# Altium PCB power_measure.PcbDoc
Units mil, origin at the board's own origin, x right, y up, seen from the top; angles counter-clockwise.
Board outline 1365 x 1730 mil, 2 copper layers (Top Layer, Bottom Layer); 55 components, 36 nets, 197 pads, 93 vias.
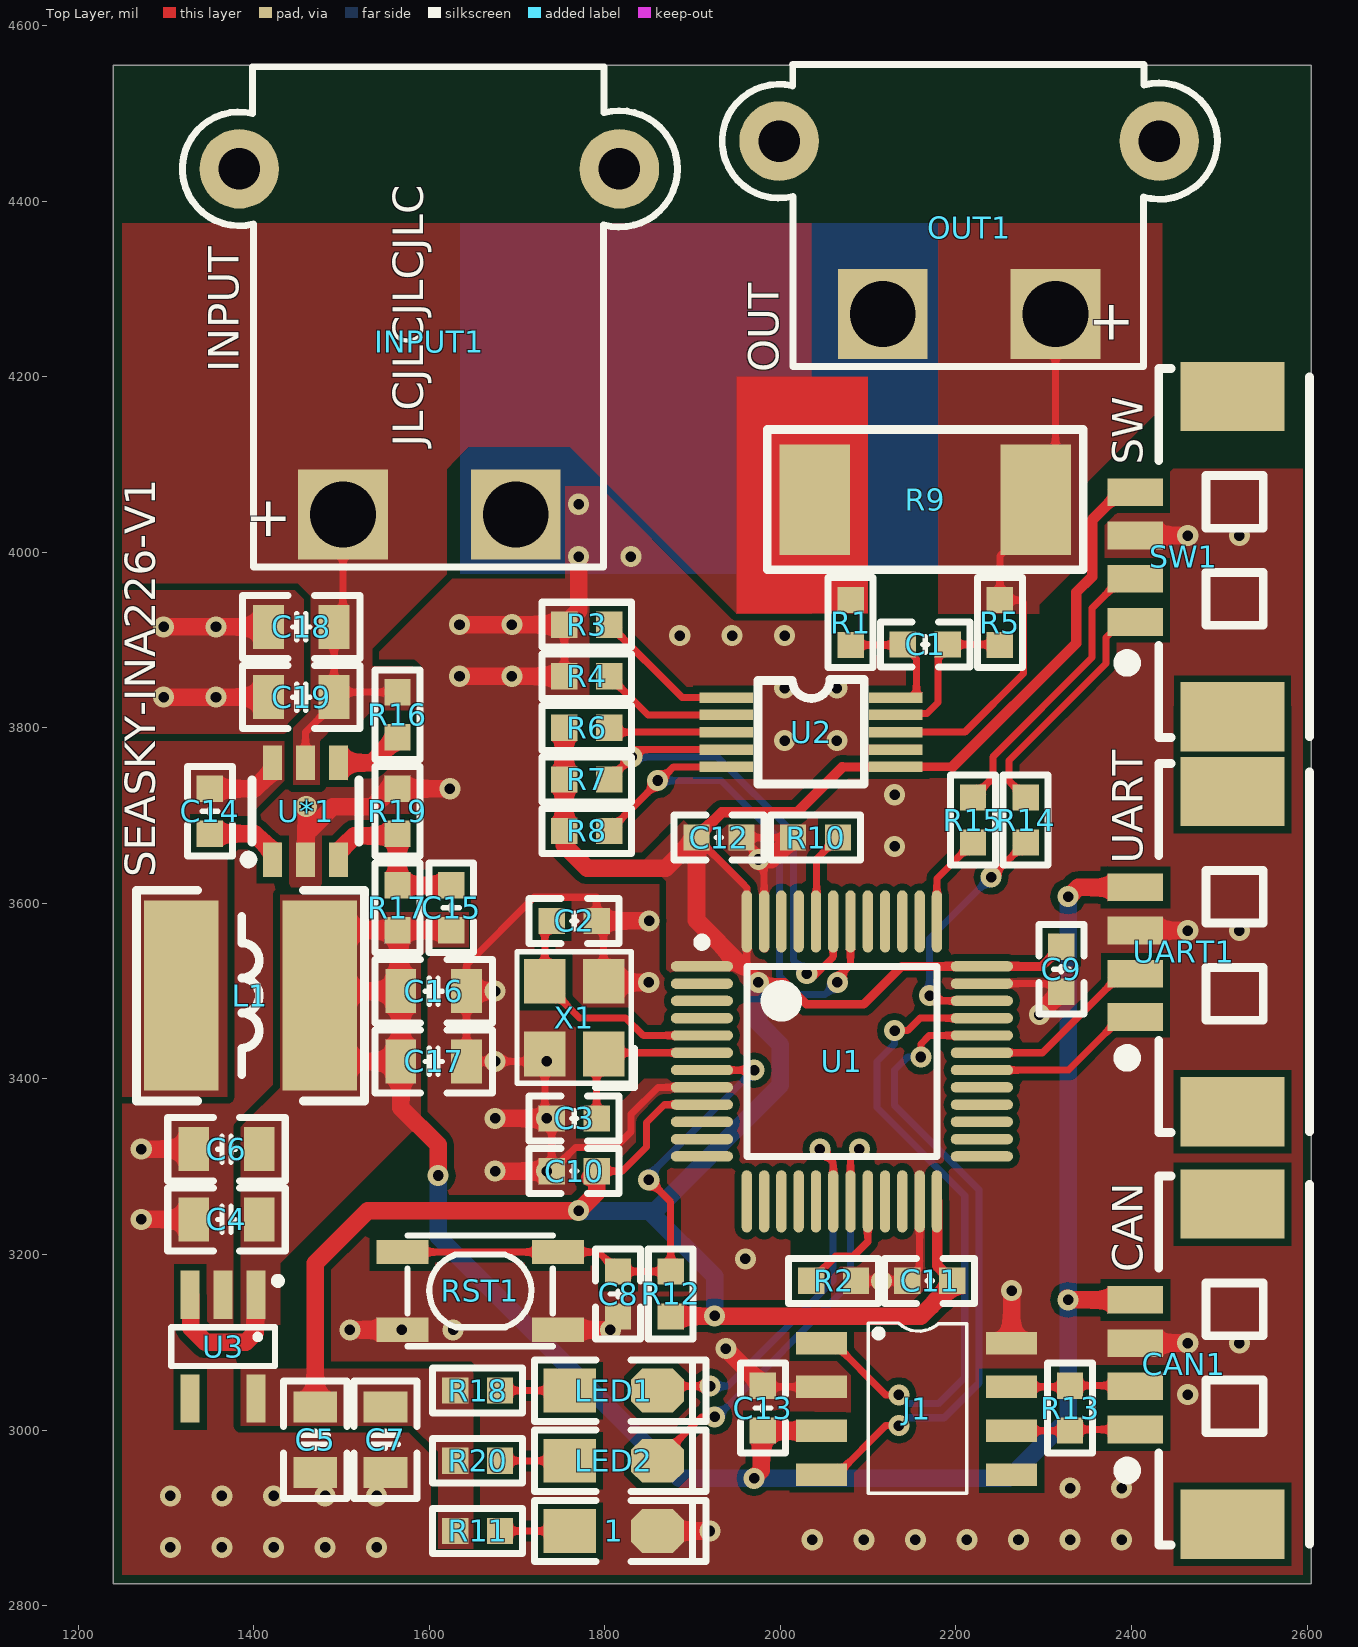
[diagram p0: Top Layer view]
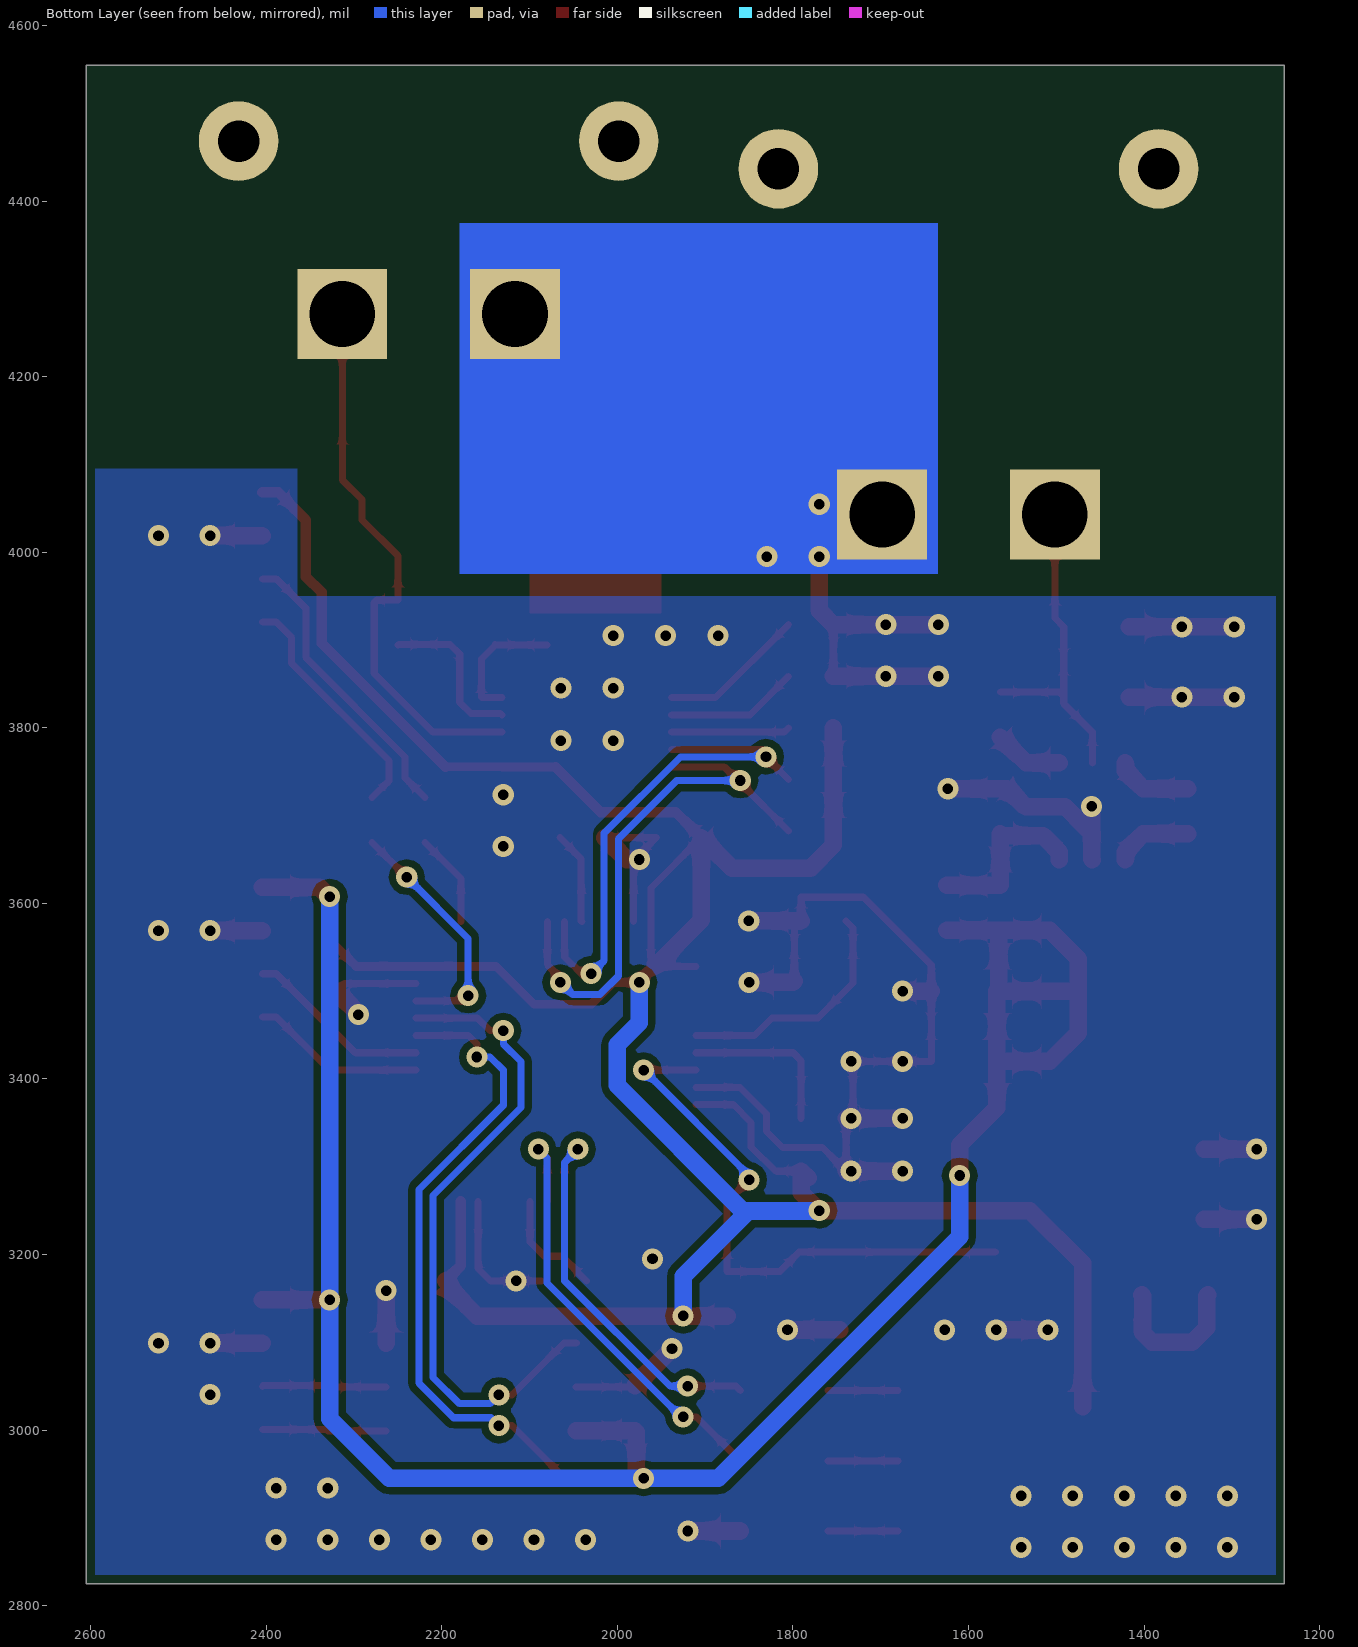
[diagram p1: Bottom Layer view, seen from below]
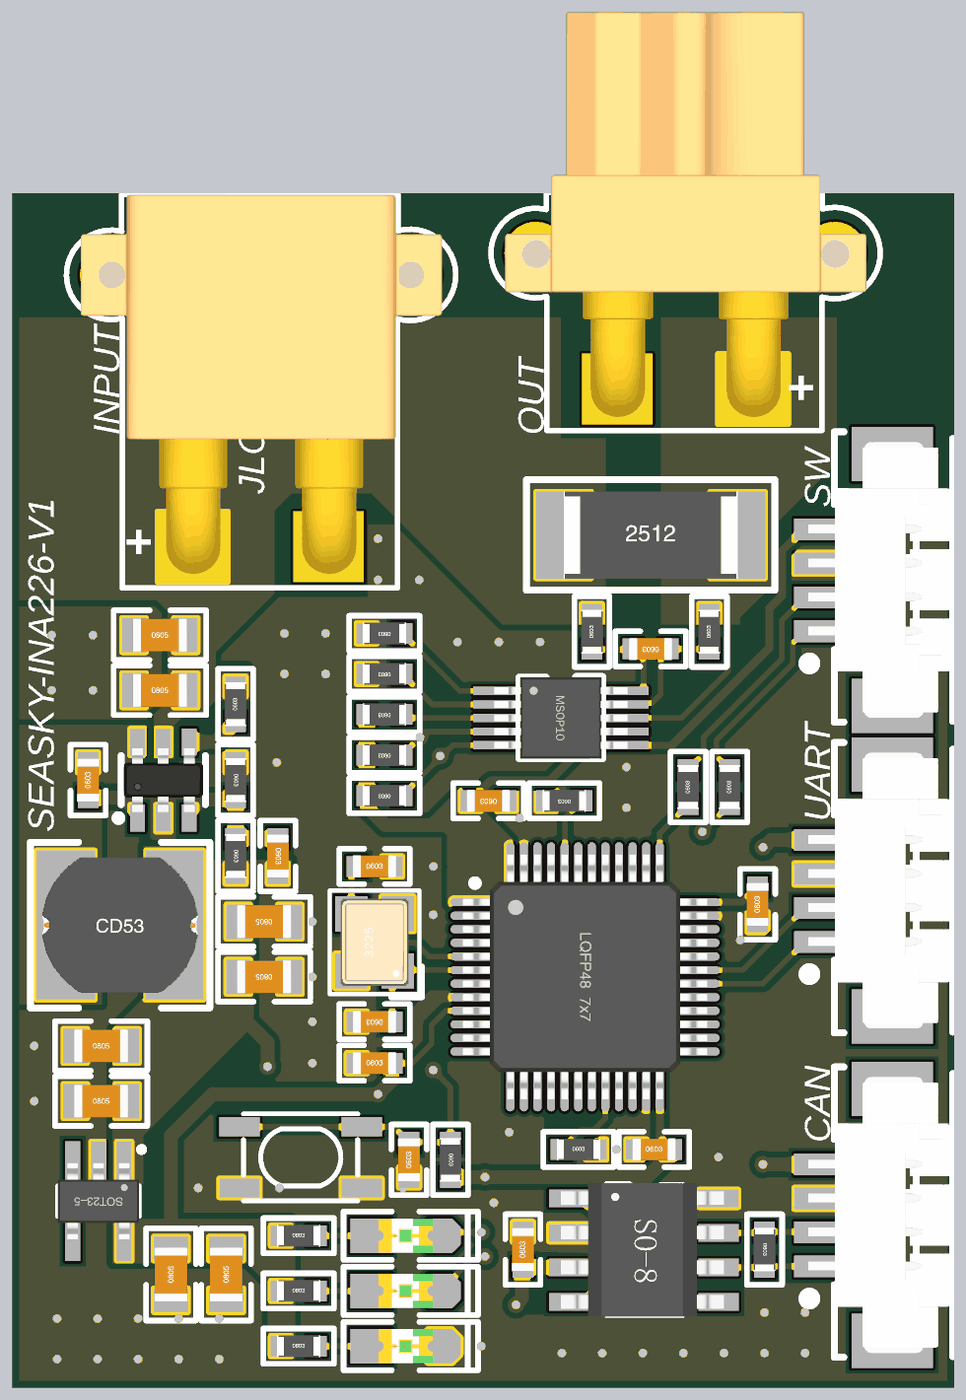
[diagram p2: 3D render of the assembled board from above, using the file's embedded part models]

## Layer stack, top to bottom
Top Solder: solder mask 0.4, Solder Resist, Dk 3.5
Top Layer: signal copper 1.4
Dielectric 1: dielectric 12.6, FR-4, Dk 4.8
Bottom Layer: signal copper 1.4
Bottom Solder: solder mask 0.4, Solder Resist, Dk 3.5

## Board outline
1240,2825 1240,4555 2605,4555 2605,2825

## Design rules (kind name [scope] priority, off if disabled: settings)
BoardOutlineClearance [All] p1: gap=10 ignorepadtopadclearanceinfootprint=FALSE except(0: Arc-SplitContinuation Track-SplitContinuation SMDPad-SplitContinuation THPad-SplitContinuation Via-SplitContinuation Fill-SplitContinuation Poly-SplitContinuation Region-SplitContinuation Text-SplitContinuation)
Clearance [All] p1: gap=8 ignorepadtopadclearanceinfootprint=TRUE except(0: Arc-Hole Track-Hole SMDPad-Hole THPad-Hole Via-Hole Fill-Hole Poly-Hole Region-Hole Text-Hole)
PlaneConnect [All] p1: planeconnectstyle=Direct reliefexpansion=20 reliefentries=4 reliefconductorwidth=10 reliefairgap=10
PolygonConnect [All] p1: connectstyle=Direct reliefconductorwidth=10 reliefentries=4 polygonreliefangle="90 Angle" airgapwidth=10
RoutingVias [All] p1: holewidth=28 width=50 viastyle="Through Hole" minholewidth=28 minwidth=50 maxholewidth=28 maxwidth=50
SolderMaskExpansion [All] p1: expansion=4
Width [All] p1: maxlimit=1000 minlimit=8 preferedwidth=10
29 further rules are at their usual default settings.

## Classes and differential pairs
component class power_measure: 1 C1 C2 C3 C4 C5 C6 C7 C8 C9 C10 C11 C12 C13 C14 C15 C16 C17 C18 C19 CAN1 INPUT1 J1 L1 LED1 LED2 OUT1 R1 R2 R3 R5 R6 R8 R10 R12 R13 R14 R15 R16 R17 R19 R20 RST1 SW1 U1 U2 U3 U*1 UART1 X1

## Components (designator, comment, footprint, x,y, rotation, side; value= is the part's Value field where it differs from the comment)
1 "3V3" "LED 0805R" 1810,2885 r0 top
C1 "0.1uF" "C 0603_L" 2165,3895 r180 top
C2 "22pF" "C 0603_L" 1765,3580 r0 top
C3 "22pF" "C 0603_L" 1765,3355 r180 top
C4 "0.1uF" "C 0805_L" 1368.92,3240 r0 top
C5 "0.1uF" "C 0805_L" 1470,2988.92 r90 top
C6 "47uF" "C 0805_L" 1368.92,3320 r0 top
C7 "47uF" "C 0805_L" 1550,2988.92 r90 top
C8 "104" "C 0603_L" 1815,3155 r90 top
C9 "104" "C 0603_L" 2320,3525 r90 top
C10 "104" "C 0603_L" 1765,3295 r0 top
C11 "104" "C 0603_L" 2170,3170 r0 top
C12 "104" "C 0603_L" 1930,3675 r180 top
C13 "0.1uF" "C 0603_L" 1980,3025.01 r90 top
C14 "0.1uF" "C 0603_L" 1350,3705 r90 top
C15 "22pF" "C 0603_L" 1625,3595 r270 top
C16 "47uF" "C 0805_L" 1605,3500 r180 top
C17 "0.1uF" "C 0805_L" 1605,3420 r180 top
C18 "0.1uF" "C 0805_L" 1454.07,3915 r0 top
C19 "47uF" "C 0805_L" 1454.07,3835 r0 top
CAN1 "HDR-1X4" "MX 1.25-WS-4P" 2515,3075 r90 top
INPUT1 "XT30" XT30PW-M 1600,4240 r180 top
J1 "TJA1050" SOIC-8_150mil 2046.87,3099.1 r0 top
L1 "4.7uH" CD53 1396.26,3495 r0 top
LED1 "蓝色" "LED 0805B" 1810,3045 r0 top
LED2 "蓝色" "LED 0805B" 1810,2965 r0 top
OUT1 "XT30" XT30PW-F 2215,4370 r180 top
R1 "4.7R" "R 0603_L" 2080,3920 r90 top
R2 "10K" "R 0603_L" 2060.59,3170 r0 top
R3 "10K" "R 0603_L" 1779.41,3917.5 r180 top
R4 "10K" "R 0603_L" 1779.41,3858.75 r180 top
R5 "4.7R" "R 0603_L" 2250,3920 r90 top
R6 "10K" "R 0603_L" 1779.41,3800 r180 top
R7 "4.7K" "R 0603_L" 1779.41,3741.25 r180 top
R8 "4.7K" "R 0603_L" 1779.41,3682.5 r180 top
R9 "10mR" "R 2512_M" 2165,4060 r0 top
R10 "10K" "R 0603_L" 2040,3675 r180 top
R11 "4.7K" "R 0603_L" 1655,2885 r0 top
R12 "10K" "R 0603_L" 1875,3155 r270 top
R13 "120R" "R 0603_L" 2330,3025 r270 top
R14 "0R" "R 0603_L" 2279.39,3694.99 r90 top
R15 "0R" "R 0603_L" 2219.39,3694.99 r90 top
R16 "100K" "R 0603_L" 1563.66,3815 r90 top
R17 "12K" "R 0603_L" 1563.66,3595 r270 top
R18 "4.7K" "R 0603_L" 1655,3045 r0 top
R19 "2.2K" "R 0603_L" 1563.66,3705 r270 top
R20 "4.7K" "R 0603_L" 1655,2965 r0 top
RST1 "KEY_M" SMD-3.2*4.2 1657.89,3158.51 r0 top
SW1 "HDR-1X4" "MX 1.25-WS-4P" 2515,3995 r90 top
U1 "STM32F103C8T6" LQFP48_N 2070,3420 r0 top
U2 "ina226" MSOP-10 2035,3795 r0 top
U3 "RT9013-33GB" SOT23-5M 1365,3095 r180 top
U*1 "JW5026" SOT-23-6_L2.9-W1.6-P0.95-LS2.8-BL 1458.98,3705 r0 top
UART1 "HDR-1X4" "MX 1.25-WS-4P" 2515,3545 r90 top
X1 "26M" "OSC 3225-4P" 1765,3470 r90 top

## Footprints (in the part's own frame and the unit in brackets; to place one, negate y for a bottom-side part, rotate by r counter-clockwise, add the part's x,y. Pads: shape width x height; smd on the part's side, far side on the other; paste and mask are expansions set on the pad)
"C 0603_L" [mil] "无极性贴片电容                                       淘宝ID:黄晶宝石"
  rect 30x30 smd: 1(-25.59,0) 2(25.59,0)
  silkscreen extent -51,-26 51,26, body extent -31,-16 31,16, height 32
"C 0805_L" [mil] "无极性贴片电容                                        淘宝ID:黄晶宝石"
  rect 35x50 smd: 1(-37.4,0) 2(37.4,0)
  silkscreen extent -67,-36 67,36, body extent -39,-24 39,24, height 20
CD53 [mm] "5.8*5.2*3.5mm（长宽高）        淘宝ID:黄晶宝石"
  rect 2.15x5.5 smd: 1(-2,0) 2(2,0)
  silkscreen extent -3.3,-3.05 3.3,3.05, body extent -2.87,-2.5 2.87,2.5, height 3.6
"LED 0805B" [mil] "蓝色0805LED                                    淘宝ID:黄晶宝石"
  rect 60x50 smd: 1(-50,0)
  oct 60x50 smd: 2(50,0)
  silkscreen extent -90,-35 105,35, body extent -39,-25 39,25, height 32
"LED 0805R" [mil] "红色0805LED                                       淘宝ID:黄晶宝石"
  rect 60x50 smd: 1(-50,0)
  oct 60x50 smd: 2(50,0)
  silkscreen extent -90,-35 105,35, body extent -39,-25 39,25, height 32
LQFP48_N [mm] "封装库来自淘宝 ID：黄晶宝石 Thin QFP, 48-Leads, Body 7x7mm, Pitch 0.5mm, IPC Medium Density"
  oval 1.8x0.3 smd: 1(-4.05,2.75) 2(-4.05,2.25) 3(-4.05,1.75) 4(-4.05,1.25) 5(-4.05,0.75) 6(-4.05,0.25) 7(-4.05,-0.25) 8(-4.05,-0.75) 9(-4.05,-1.25) 10(-4.05,-1.75) 11(-4.05,-2.25) 12(-4.05,-2.75) 25(4.05,-2.75) 26(4.05,-2.25) 27(4.05,-1.75) 28(4.05,-1.25) 29(4.05,-0.75) 30(4.05,-0.25) 31(4.05,0.25) 32(4.05,0.75) 33(4.05,1.25) 34(4.05,1.75) 35(4.05,2.25) 36(4.05,2.75)
  oval 0.3x1.8 smd: 13(-2.75,-4.05) 14(-2.25,-4.05) 15(-1.75,-4.05) 16(-1.25,-4.05) 17(-0.75,-4.05) 18(-0.25,-4.05) 19(0.25,-4.05) 20(0.75,-4.05) 21(1.25,-4.05) 22(1.75,-4.05) 23(2.25,-4.05) 24(2.75,-4.05) 37(2.75,4.05) 38(2.25,4.05) 39(1.75,4.05) 40(1.25,4.05) 41(0.75,4.05) 42(0.25,4.05) 43(-0.25,4.05) 44(-0.75,4.05) 45(-1.25,4.05) 46(-1.75,4.05) 47(-2.25,4.05) 48(-2.75,4.05)
  silkscreen extent -4.17,-2.75 2.75,3.57, body extent -4.5,-4.5 4.5,4.5, height 1.45
MSOP-10 [mil]
  rect 61.02x12 smd: 1(-96.5,39.37) 2(-96.5,19.68) 3(-96.5,0) 4(-96.5,-19.69) 5(-96.5,-39.37) 6(96.5,-39.37) 7(96.5,-19.69) 8(96.5,0) 9(96.5,19.68) 10(96.5,39.37)
  silkscreen extent -60,-59 60,60, body extent -96,-59 96,59, height 37
"MX 1.25-WS-4P" [mm] "长：10.15mm，宽：4.2mm，高：3.4mm"
  rect 2x3 smd: 0(-4.632,0) 0(4.632,0)
  rect 0.8x1.6 smd: 1(-1.889,2.811) 2(-0.639,2.811) 3(0.611,2.811) 4(1.861,2.811)
  silkscreen extent -5.23,-2.23 5.45,3.25, body extent -5.07,-2.1 5.07,3.09, height 3.4
"OSC 3225-4P" [mm] "3.2*2.5*0.7mm(长宽高)                         淘宝ID:黄晶宝石"
  rect 1.3x1.2 smd: 1(-1.05,-0.85) 2(1.05,-0.85) 3(1.05,0.85) 4(-1.05,0.85)
  silkscreen extent -2.03,-1.75 1.91,1.65, body extent -1.6,-1.25 1.6,1.25, height 0.7
"R 0603_L" [mil] "1/10W贴片电阻                 淘宝ID:黄晶宝石"
  rect 30x30 smd: 1(-25.59,0) 2(25.59,0)
  silkscreen extent -51,-26 51,26, body extent -31,-16 32,16, height 16
"R 2512_M" [mm] "1W贴片电阻  淘宝ID:黄晶宝石"
  rect 2.032x3.2 smd: 1(-3.2,0) 2(3.2,0)
  silkscreen extent -4.57,-2.03 4.57,2.03, body extent -3.2,-1.6 3.2,1.6, height 0.55
SMD-3.2*4.2 [mm]
  rect 1.5x0.7 smd: 1(-2.25,1.125) 1(2.25,1.125) 2(-2.25,-1.125) 2(2.25,-1.125)
  silkscreen extent -2.1,-1.6 2.1,1.6, body extent -2.73,-1.6 2.47,1.58, height 1.8
SOIC-8_150mil [mm]
  rect 1.473x0.65 smd: 1(0,0) 2(0,-1.27) 3(0,-2.54) 4(0,-3.81) 5(5.5,-3.81) 6(5.5,-2.54) 7(5.5,-1.27) 8(5.5,0)
  silkscreen extent 1.35,-4.34 4.2,0.58, body extent -0.3,-4.34 5.7,0.56, height 1.7
SOT23-5M [mm] "3x1.6x1.1mm(长宽高) 封装库来自淘宝卖家 ID：黄晶宝石"
  rect 0.55x1.4 smd: 1(-0.95,-1.5) 2(0,-1.5) 3(0.95,-1.5) 4(0.95,1.5) 5(-0.95,1.5)
  silkscreen extent -1.66,-1.98 1.5,0.56, body extent -1.5,-1.4 1.5,1.4, height 1.15
SOT-23-6_L2.9-W1.6-P0.95-LS2.8-BL [mm]
  rect 0.55x1 smd: 1(-0.95,-1.4) 2(0,-1.4) 3(0.95,-1.4) 4(0.95,1.4) 5(0,1.4) 6(-0.95,1.4)
  silkscreen extent -1.78,-1.52 1.55,0.9, body extent -1.46,-1.17 1.46,1.17, height 1
XT30PW-F [mm]
  round 2.3 hole 1.2: 0(-5.5,-2.5) 0(5.5,-2.5)
  rect 2.6x2.6 hole 1.9: 1(2.5,2.5) 2(-2.5,2.5)
  silkscreen extent -7.18,-4.72 7.14,4.02, body extent -6.67,-11.36 6.63,3.54, height 5
XT30PW-M [mm]
  round 2.3 hole 1.2: 0(-5.5,-5) 0(5.5,-5)
  rect 2.6x2.6 hole 1.9: 1(-2.5,5) 2(2.5,5)
  silkscreen extent -7.18,-7.95 7.14,6.52, body extent -6.67,-7.95 6.63,6, height 5

## Part data
1 LED1 LED2: library part LED-SMD, "贴片LED"
C1 C2 C3 C4 C5 C6 C7 C8 C9 C10 C11 C12 C13 C14 C15 C16 C17 C18 C19: library part C, "贴片电容"
CAN1 SW1 UART1: library part "Header 4", "4P接插件"
J1: "CANоƬ"
L1: library part L-SMD, "CD系列贴片线绕功率电感"
R1 R2 R3 R4 R5 R6 R7 R8 R9 R10 R11 R12 R13 R14 R15 R16 R17 R18 R19 R20: library part R, "贴片电阻"
U1: "STM32 ARM-based 32-bit MCU Performance Line with 64 kB Flash, 20 kB Internal RAM, -40 to +85癈 Temperature, 48-Pin LQFP, Tray"
U2: library part INA226
U*1: "BUCK、MAX40V"
X1: library part XTAL-4P, "4脚无源晶振"

## Via types
v1: diameter 24, hole 12, Top Layer to Bottom Layer, tented both sides, 93 vias

## Nets (pads, with @x,y where several pads share a name; then routed paths per layer and width w, separated by ;. In a path a pad name is that pad's centre, name@x,y a point inside that pad or via, vN(x,y) a via of type N, cw(c..) or ccw(c..) an arc to the next point about the centre after c; other vN are vias at no path point)
CAN1_RX(PA11): J1.4 U1.32 | length 745.1
  Top Layer w8: J1.4 2045.97,2950 2065,2950 2120,3005 v1(2135,3005) ; v1(2160,3425) 2160,3440 2169.53,3449.53 U1.32
  Bottom Layer w8: v1(2135,3005) 2144,3014 2186.63,3014 2226,3053.37 2226,3274 2130,3370 2130,3410 2145,3425 v1(2160,3425)
CAN1_TX(PA12): J1.1 U1.33 | length 754.2
  Top Layer w8: J1.1 2060.9,3099.1 2120,3040 v1(2135,3040) ; v1(2130,3455) 2145,3455 2159.21,3469.21 U1.33
  Bottom Layer w8: v1(2130,3455) 2130,3440 2110,3420 2110,3367.37 2210,3267.37 2210,3060 2180,3030 2145,3030 v1(2135,3040)
CAN_H: CAN1.2 J1.7 R13.1 | length 141.9
  Top Layer w8: J1.7 2328.5,3049.1 R13.1 2403.6,3050.59 CAN1.2
CAN_L: CAN1.1 J1.6 R13.2 | length 141.6
  Top Layer w8: J1.6 2329.69,2999.1 R13.2 2331.22,3000.64 CAN1.1
GND: 1.2 C2.2 C3.2 C4.1 C5.1 C6.1 C7.1 C8.1 C9.1 C10.1 C11.1 C12.1 C13.2 C16.1 C17.1 C18.1 C19.1 CAN1.3 INPUT1.1 J1.2 J1.8 OUT1.1 R2.2 R3.2 R4.2 R10.2 R19.1 RST1.2 SW1.3 U1.8 U1.23 U1.35 U1.47 U2.7 U3.2 U*1.2 UART1.3 X1.2 X1.4 | length 3677.9
  Top Layer w8: R4.2 R3.2 ; X1.2 1798.46,3572.12 C2.2 1790.59,3607 1719.44,3607 1642.4,3529.97 C16.1 C17.1 1682.64,3420 1722.88,3420 X1.4 1731.54,3362.88 C3.2 C10.1 1766.41,3322 1812,3322 1830,3340 1830,3360 1860.47,3390.47 U1.8 ; C13.2 1981.5,3049.1 J1.2 ; U1.47 1981.42,3649.18 C12.1 R10.2 ; R2.2 C11.1 2158.58,3184.17 U1.23 ; U1.35 2310.83,3508.58 C9.1
  Top Layer w20: v1(1271.8,3240) C4.1 ; v1(1271.8,3320) C6.1 ; v1(1297.23,3835) v1(1356.95,3835) C19.1 ; v1(1297.23,3915) v1(1356.95,3915) C18.1 ; U*1.2 U*1.2@1459.81,3650.71 ; v1(1459.81,3710.43) U*1.2@1459.81,3650.71 ; v1(1509.59,3114.22) RST1.2@1569.31,3114.22 ; v1(1623.38,3730.59) R19.1 1555.59,3730.59 1535,3710 1489.99,3710 1467.55,3687.57 1459.81,3679.82 U*1.2@1459.81,3650.71 ; v1(1634.39,3858.75) v1(1694.1,3858.75) R4.2 ; v1(1634.39,3917.5) v1(1694.1,3917.5) R3.2 1770,3933.68 v1(1770,3995) ; C16.1 v1(1675,3500) ; v1@1679.69,3295 C10.1 ; v1@1679.7,3355 C3.2 ; RST1.2@1746.47,3114.22 v1(1806.19,3114.22) ; C2.2 v1(1850.3,3580) ; X1.2 1799.8,3510 v1(1850,3510) ; 1.2 v1(1919.72,2885) ; v1(1937.78,3092.82) C13.2 ; v1(1975,3650) 1989.41,3650 R10.2 ; J1.8 v1(2263.4,3158.82) ; v1(2295,3473.3) 2295,3474.4 C9.1 ; CAN1.3 v1(2464.06,3099.06) ; UART1.3 v1(2464.06,3569.06) ; SW1.3 v1(2464.06,4019.06)
  Bottom Layer w8: INPUT1.1 1888.15,4043.15 OUT1.1
  other v1: 1305,2866.25 1363.75,2866.25 1422.5,2866.25 1481.25,2866.25 1540,2866.25 2036.25,2875 2095,2875 2153.75,2875 2212.5,2875 2271.25,2875 2330,2875 2388.75,2875 1305,2925 1363.75,2925 1422.5,2925 1481.25,2925 1540,2925 2330,2933.75 2388.75,2933.75 2464.06,3040.31 2522.81,3099.06 1568.34,3114.22 1627.09,3114.22 2115.3,3170 1960,3195 1675,3295 1733.75,3295 1675,3355 1733.75,3355 1675,3420 1733.75,3420 2522.81,3569.06 2130,3665 2130,3723.75 2004.72,3785.57 2064.43,3785.57 2004.72,3845.28 2064.43,3845.28 1885.28,3905 1945,3905 2004.72,3905 1829.72,3995 2522.81,4019.06 1770,4054.72
IIC_SCL: R8.1 U1.42 U2.5 | length 644.3
  Top Layer w8: R8.1 1860,3737.5 v1(1860,3740) 1862.68,3740 1878.31,3755.63 U2.5 ; v1(2065,3510) 2065,3515.32 2079.84,3530.16 U1.42
  Bottom Layer w8: v1(1860,3740) 1932.37,3740 1999,3673.37 1999,3517.06 2020.06,3496 2051,3496 v1(2065,3510)
IIC_SDA: R7.1 U1.43 U2.4 | length 618.8
  Top Layer w8: R7.1 v1(1830.69,3766.94) ; v1@1836.94,3766.94 v1(1830.69,3766.94) ; U2.4 1839.06,3775.31 v1(1830.69,3766.94) ; v1(2030,3520) 2041.06,3520 2060.16,3539.1 U1.43
  Bottom Layer w8: v1(1830.69,3766.94) 1928.06,3766.94 2015,3680 2015,3535 v1(2030,3520)
IN+: C18.2 C19.2 INPUT1.2 R1.2 R9.1 R16.2 U*1.5 | length 507.1
  Top Layer w8: U*1.5 1458.98,3795 1491.47,3827.5 C19.2 ; INPUT1.2 1501.57,3925.1 C18.2 C19.2@1491.47,3835.9 ; R16.2 1496.16,3840.59 C19.2@1491.47,3835.9 ; R9.1 2039.02,4037.01 2080,3996.03 R1.2 ; C19.2 C19.2@1491.47,3835.9 ; C19.2 C19.2@1491.47,3835.9
IN-: OUT1.2 R5.2 R9.2 U2.8 | length 634.6
  Top Layer w8: U2.8 2210,3795 2277,3862 2277,3943 2274.41,3945.59 R5.2 2250,3996.03 2290.98,4037.01 R9.2 2313.43,4082.44 OUT1.2
LED(PB0): LED1.2 U1.18 | length 473.7
  Top Layer w8: LED1.2 1865,3050 v1(1920,3050) ; v1(2045,3320) 2060.16,3304.84 U1.18
  Bottom Layer w8: v1(1920,3050) 1940,3050 2060,3170 2060,3305 v1(2045,3320)
LED(PB1): LED2.2 U1.19 | length 524.3
  Top Layer w8: LED2.2 1910,3015 v1(1925,3015) ; U1.19 2079.84,3309.84 v1(2090,3320)
  Bottom Layer w8: v1(1925,3015) 1927.63,3015 2080,3167.37 2080,3310 v1(2090,3320)
Net1_1: 1.1 R11.2 | length 79.4
  Top Layer w8: R11.2 1.1
NetC1_1: C1.1 R5.1 U2.9 | length 184.3
  Top Layer w8: U2.9 2133.19,3816.37 2166.98,3816.37 2179.59,3828.98 2179.59,3884 C1.1 2249.41,3895 R5.1
NetC1_2: C1.2 R1.1 U2.10 | length 149.5
  Top Layer w8: R1.1 C1.2@2138.82,3894.41 ; U2.10 2154.37,3834.37 2155,3835 2155,3878.22 C1.2@2138.82,3894.41 ; C1.2 C1.2@2138.82,3894.41
NetC2_1: C2.1 U1.5 X1.3 | length 277.7
  Top Layer w8: C2.1 1731.54,3572.13 X1.3 1731.54,3509.37 1771.27,3469.64 1823.67,3469.64 1843.78,3449.53 U1.5
NetC3_1: C3.1 U1.6 X1.1 | length 189.5
  Top Layer w8: C3.1 1790.59,3420.79 X1.1 1799.65,3429.84 U1.6
NetC14_1: C14.1 U*1.1 | length 89
  Top Layer w20: C14.1 1400.91,3679.41 1421.57,3658.74 U*1.1
NetC14_2: C14.2 L1.1 U*1.6 | length 89
  Top Layer w20: C14.2 1400.9,3730.59 1421.58,3751.26 U*1.6
NetC15_1: C15.1 R17.1 R19.2 U*1.3 | length 204.9
  Top Layer w20: U*1.3 1496.38,3658.74 1514.65,3677.01 1561.25,3677.01 R19.2 R17.1 C15.1
NetLED1_1: LED1.1 R18.2 | length 79.4
  Top Layer w8: R18.2 LED1.1
NetLED2_1: LED2.1 R20.2 | length 79.4
  Top Layer w8: R20.2 LED2.1
NetR2_1: R2.1 U1.20 | length 129
  Top Layer w8: R2.1 2063,3198 2083,3198 2099.53,3214.53 U1.20
NetR3_1: R3.1 U2.1 | length 167.9
  Top Layer w8: R3.1 1888.13,3834.37 U2.1
NetR4_1: R4.1 U2.2 | length 151.8
  Top Layer w8: R4.1 1849.07,3814.68 U2.2
NetR6_1: R6.1 U2.3 | length 135.6
  Top Layer w8: R6.1 1810,3795 U2.3
NetR10_1: R10.1 U1.44 | length 106
  Top Layer w8: U1.44 2041.2,3580.18 2041.2,3650.61 R10.1
NetR14_2: R14.2 SW1.1 | length 276.8
  Top Layer w8: R14.2 2260.4,3739.57 2260.4,3762.77 2371,3873.37 2371,3903.04 2388.6,3920.64 SW1.1
NetR15_2: R15.2 SW1.2 | length 335.1
  Top Layer w8: R15.2 2241.91,3743.09 2241.91,3766.91 2355,3880 2355,3936.25 2388.6,3969.85 SW1.2
NetR16_1: R16.1 U*1.4 | length 79.4
  Top Layer w20: U*1.4 1534.37,3760.12 R16.1
RST: C8.2 R12.1 RST1.1 U1.7 | length 663.9
  Top Layer w8: RST1.1@1569.31,3202.8 1746.47,3202.8 1792.79,3202.8 C8.2 R12.1 1875,3260 v1(1850,3285) ; U1.7 1910.63,3410.08 1969.92,3410.08 v1(1970,3410)
  Bottom Layer w8: v1(1850,3285) 1850,3290 v1(1970,3410)
SWCLK: R15.1 U1.37 | length 107
  Top Layer w8: U1.37 2178.27,3628.26 R15.1
SWDIO: R14.1 U1.34 | length 281.7
  Top Layer w8: v1(2170,3495) 2176.1,3488.9 U1.34 ; v1(2240,3630) R14.1
  Bottom Layer w8: v1(2170,3495) 2170,3560 v1(2240,3630)
UART_RX: U1.31 UART1.2 | length 212.2
  Top Layer w8: U1.31 2298.59,3429.84 2388.6,3519.85 UART1.2
UART_TX: U1.30 UART1.1 | length 199.9
  Top Layer w8: U1.30 2328.12,3410.16 2388.6,3470.64 UART1.1
VCC3V3: C5.2 C7.2 C9.2 C10.2 C11.2 C12.2 R6.2 R7.2 R8.2 R11.1 R12.2 R18.1 R20.1 SW1.4 U1.1 U1.9 U1.24 U1.36 U1.48 U2.6 U3.5 | length 3674.3
  Top Layer w8: C10.2 1820,3295 1847.59,3322.59 1847.59,3350.58 1867.8,3370.79 U1.9 ; C12.2 1961.73,3617.68 U1.48 1961.73,3531.73 1958.27,3528.27 1956.73,3528.27 U1.1
  Top Layer w10: 1956.73,3528.27 v1(1975,3510) ; 1961.73,3531.73 1961.73,3527.06 1975,3513.79 v1(1975,3510) ; 2070.31,3755.31 U2.6@2131.5,3755.31 ; U2.6 2196.09,3755.63 ; C9.2 2297.68,3528.27 U1.36 2138.27,3528.27 2095,3485 2029.64,3485 2004.64,3510 v1(1975,3510)
  Top Layer w12: C12.2 1933.41,3704 2019,3704 2070.31,3755.31 ; U1.24@2178.49,3260.55 2178.49,3187.1 C11.2 ; 2196.09,3755.63 2337,3896.54 2337,3954.27 2355,3972.27 2355,4036.76 2386.52,4068.28 SW1.4
  Top Layer w20: C5.2 1470,3190 1530,3250 v1(1770,3250) 1790.59,3270.59 C10.2 C10.2@1782.8,3287.2 ; R6.2 R7.2 R8.2 1753.82,3666.18 1780,3640 1869.41,3640 C12.2 1904.41,3580.59 1956.73,3528.27 ; R12.2 R12.2@1875.29,3129.71 ; R12.2@1875.48,3129.9 R12.2@1875.29,3129.71 ; C11.2 2190.59,3165 2190.59,3160.72 2159.76,3129.9 1925.1,3129.9 v1(1925,3130) 1924.71,3129.71 R12.2@1875.29,3129.71
  Bottom Layer w20: v1(1925,3130) 1925,3175 1850.77,3249.23 1770.77,3249.23 v1(1770,3250) 1857.43,3250 2000,3392.57 2000,3438.79 1975,3463.79 v1(1975,3510)
VCC5V: C4.2 C6.2 C13.1 C15.2 C16.2 C17.2 CAN1.4 J1.3 L1.2 R17.2 U3.1 U3.3 UART1.4 | length 2723.5
  Top Layer w20: U3.3 1328.43,3153.23 1328.43,3116.57 1345,3100 1390.69,3100 1401.57,3110.89 1401.57,3153.23 U3.1 ; v1(1610,3290) 1610,3325 1567.6,3367.4 C17.2 ; C15.2 R17.2 ; v1(1970,2945) 1970,2946.08 1978.33,2954.41 1978.33,2997.74 C13.1 1980.16,2999.26 2046.71,2999.26 J1.3 ; v1@2326.08,3150 v1(2327.81,3148.28) CAN1.4 ; v1(2327.81,3607.81) 2328.89,3607.81 2339.36,3618.28 UART1.4 ; L1.2 1475,3537.09 1507.32,3569.41 R17.2 ; L1.2 1475,3452.33 1507.32,3420 C17.2 ; L1.2 1480,3500 C16.2 ; R17.2 1565.63,3567.44 1565.63,3501.97 C16.2 ; C17.2 C16.2
  Bottom Layer w20: v1(1610,3290) 1610,3220 1885,2945 v1(1970,2945) 2260,2945 2327.81,3012.81 v1(2327.81,3148.28) v1(2327.81,3607.81)
pads on no net: CAN1.0 INPUT1.0 J1.5 OUT1.0 SW1.0 U1.2 U1.3 U1.4 U1.10 U1.11 U1.12 U1.13 U1.14 U1.15 U1.16 U1.17 U1.21 U1.22 U1.25 U1.26 U1.27 U1.28 U1.29 U1.38 U1.39 U1.40 U1.41 U1.45 U1.46 U3.4 UART1.0

## Polygon pours and split planes (outlines as drawn)
GND on Top Layer "Top Layer-GND" (solid, remove dead copper, pour order 28): 1755,4075 1755,3955 1760,3950 1930,3950 1805,4075
GND on Top Layer "Top Layer-GND 1" (solid, remove dead copper, pour order 24): 2360,4090 2360,3825 2640,3825 2640,4095 2365,4095
GND on Top Layer "Top Layer-GND 2" (solid, remove dead copper, pour order 18): 1195,3970 1195,2780 2642.45,2780 2637.55,3970
IN- on Top Layer "Top Layer-IN-" (solid, remove dead copper, pour order 16): 1190,4600
IN- on Top Layer "Top Layer-IN- 1" (solid, remove dead copper, pour order 14): 2180,4375 2180,3930 2295,3930 2295,3940 2340,3985 2340,4070 2435,4165 2435,4375
IN+ on Top Layer "Top Layer-IN+" (solid, remove dead copper, pour order 12): 1215,4375 1215,3965 1605,3965 1605,4080 1645,4120 1760,4120 1950,3930 2035,3930 2035,4375
VCC3V3 on Top Layer "Top Layer-VCC3V3" (solid, remove dead copper, pour order 10): 1870,3625 1870,3525 1875,3520 1945,3520 1960,3505 1960,3495 1974.82,3495 1990,3510.18 1990,3530 1987.32,3530 1961.73,3555.59 1961.73,3623.27 1890,3695 1845,3650
VCC3V3 on Top Layer "Top Layer-VCC3V3 1" (solid, remove dead copper, pour order 8): 1385,3070 1385,3005 1580,3005 1610,2975 1610,2865 1650,2865 1650,3065 1645,3070
VCC5V on Top Layer "Top Layer-VCC5V" (solid, remove dead copper, pour order 6): 1430,3610 1430,3390 1390,3350 1385,3345 1385,3120 1430,3120 1430,3190 1590,3350 1590,3585 1585,3590 1525,3590 1525,3610
NetC14_2 on Top Layer "Top Layer-NetC14_2" (solid, remove dead copper, pour order 4): 1250,3380 1370,3380 1370,3700 1395,3700 1435,3740 1435,3785 1250,3785
VCC5V on Top Layer "Top Layer-VCC5V 1" (solid, remove dead copper, pour order 2): 1430,3610 1430,3385 1590,3385 1590,3540 1600,3550 1645,3550 1645,3590 1525,3590 1525,3610
IN+ on Top Layer "Top Layer-IN+ 1" (solid, remove dead copper, pour order 0): 1450,4100 1450,3965 1465,3950 1465,3820 1445,3800 1445,3735 1475,3735 1475,3785 1490,3800 1515,3800 1535,3820 1585,3820 1585,3865 1580,3870 1535,3870 1535,3890 1620,3975 1620,4100
GND on Bottom Layer "Bottom Layer-GND" (solid, remove dead copper, pour order 22): 2365,4095 2365,3910 2375,3900 2620,3900 2620,4095
GND on Bottom Layer "Bottom Layer-GND 1" (solid, remove dead copper, pour order 20): 1200,3950 1200,2800 2640,2800 2640,3950

## Other copper
Top Layer:
  rectangle net IN+: 1950,3930 2100,4200
  pour cut-out: 1766.84,3460.15 1766.84,3332.75 1767.59,3332 1813.59,3332 1813.59,3368.59 1845.13,3400.13 1871,3400.13 1869.97,3461.87
  pour cut-out: 2196.4,3741.1 2196.4,3648.83 2299.96,3648.83 2302.4,3646.39 2302.4,3743.57
  pour cut-out: 2160,3784.39 2160,3768.88 2189.15,3768.88 2198.41,3778.15
  pour cut-out: 1782,3940.5 1782,3823 1795,3810 1828,3810 1828,3940.5
  pour cut-out: 1730,3825 1730.82,3824.18 1730.82,3659.5 1830,3659.5 1830,3825
  pour cut-out: 2300.4,2976.41 2443.37,2976.41 2443.84,2976.89 2443.84,3073.6 2304.1,3073.6 2300.4,3069.9
  pour cut-out: 2226.4,3069.9 2226.4,2928.31 2300.4,2928.31 2300.4,3069.9
  pour cut-out: 2080,3080 2080,3015 2130,3015 2130,3030
  pour cut-out: 1957,3022.41 1959.98,3019.44 1959.98,2962.36 1980.32,2962.36 1995.29,2947.39 1984.42,2936.52 1984.42,2930.58 2065.58,2930.58 2075,2940 2075,2960 2120,3005 2105,3020 2075,3020
  pour cut-out: 2010.94,3220.88 2010.94,3189.06 2015,3185 2028,3198 2083,3198 2083,3218 2095,3230
  pour cut-out: 1859.83,3344.14 1859.83,3294.83 1850,3285 1875,3260 1883.65,3268.65 1870.88,3281.43 1870.88,3341.26
  pour cut-out: 1370,3700 1370,3685 1395,3685 1395,3700
Bottom Layer:
  rectangle net GND: 1635,3975 2180,4375

## Silkscreen, mask and mechanical layers (free items; w line width, h text height)
Top Overlay:
  text "INPUT" at 1395,4205 h60 r90
  text "OUT" at 2010,4205 h60 r90
  text "JLCJLCJLCJLC" at 1605,4120 h60 r90
  text "SW" at 2425,4100 h60 r90
  text "UART" at 2425,3645 h60 r90
  text "SEASKY-INA226-V1" at 1300,3630 h60 r90
  text "CAN" at 2425,3180 h60 r90
Mechanical 1:
  the board outline again, w10
Drill Drawing:
  the board outline again, w6

## Dimensions
2605,2825 to 2605,4555 on Bottom Solder
1240,2825 to 2605,2825 on Bottom Solder

## Text inside footprints (layer, text, board x,y; h text height)
INPUT1: Top Overlay "+" at 1443.43,4073.15 h78.74 r180
OUT1: Top Overlay "+" at 2403.43,4296.57 h78.74 r180